# Altium PCB ATOL_CTRL_BOARD_R02A04_20191009.PcbDoc
Units mm, origin at the board's own origin, x right, y up, seen from the top; angles counter-clockwise.
Board outline 85 x 64 mm, 2 copper layers (Top Layer, Bottom Layer); 75 components, 93 nets, 353 pads, 243 vias.
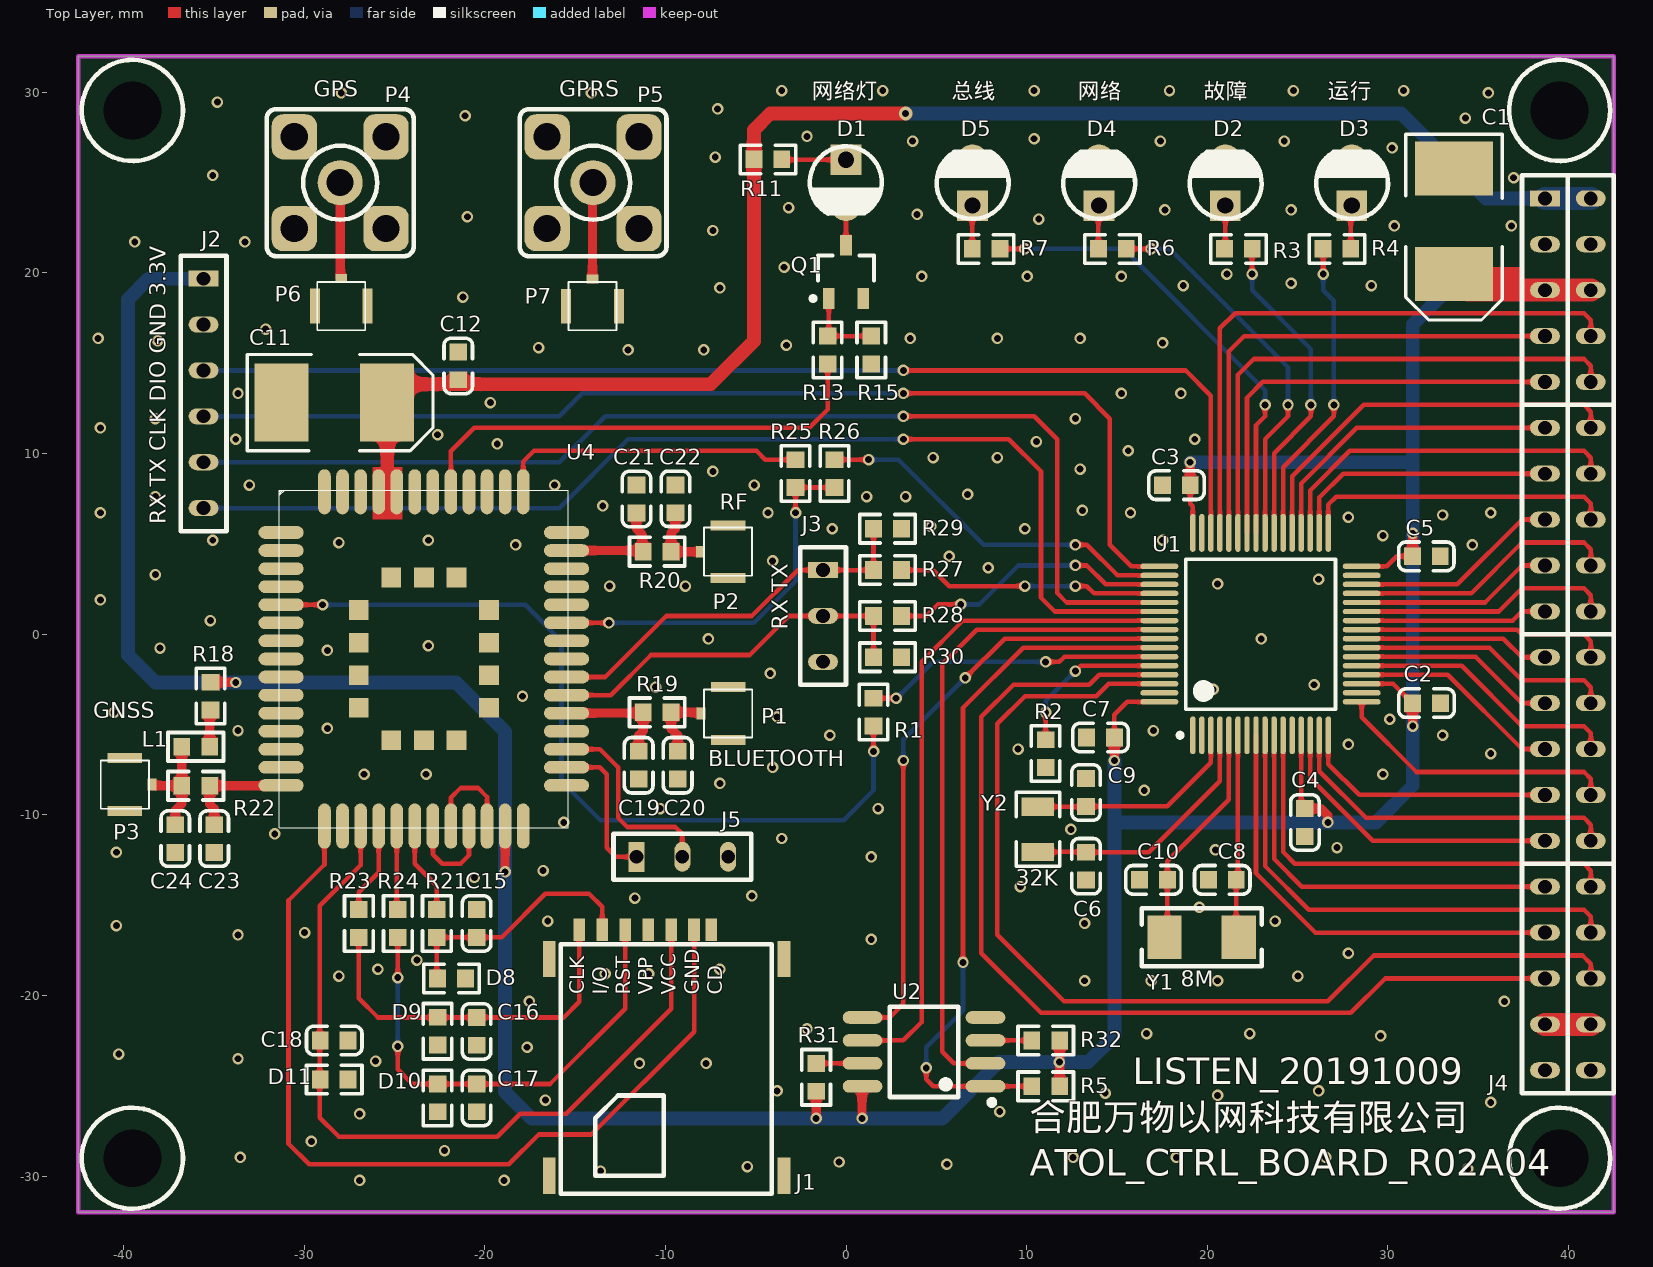
[diagram p0: Top Layer view]
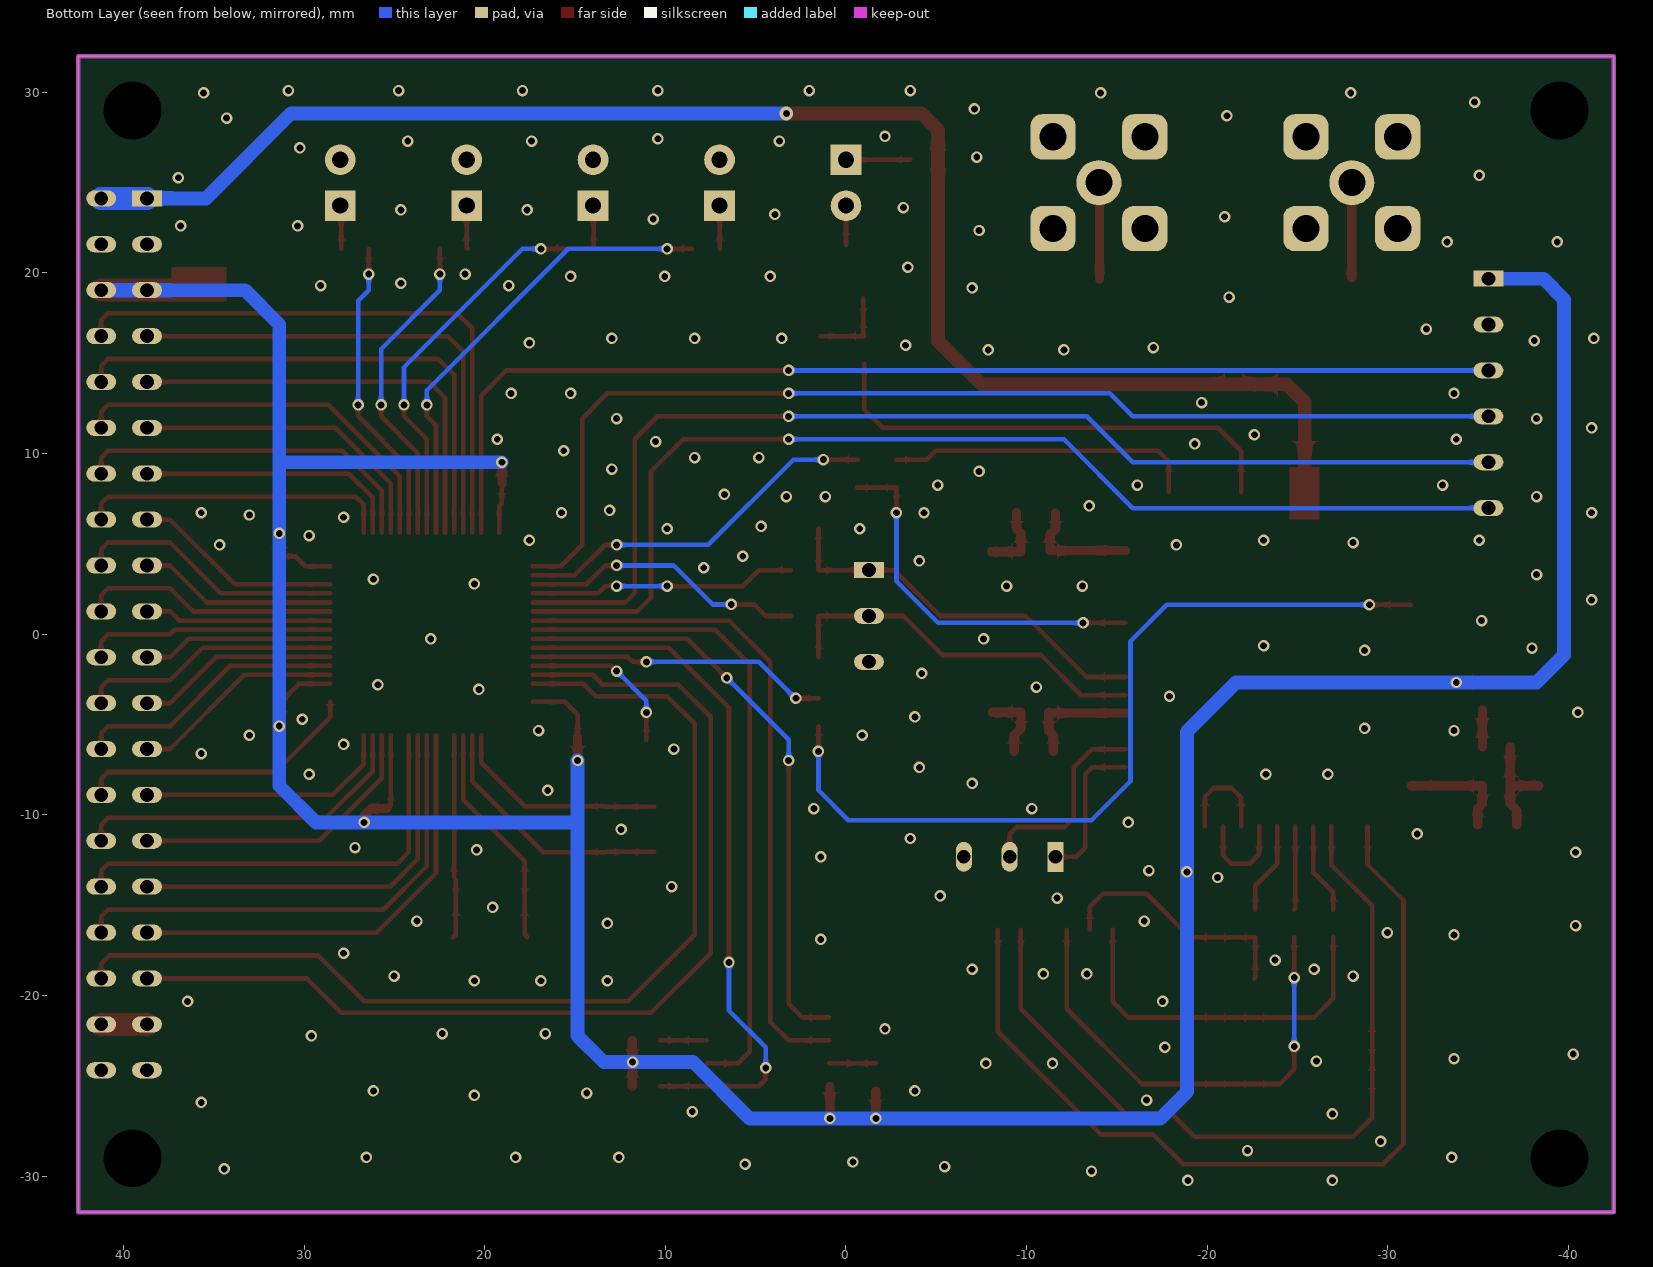
[diagram p1: Bottom Layer view, seen from below]
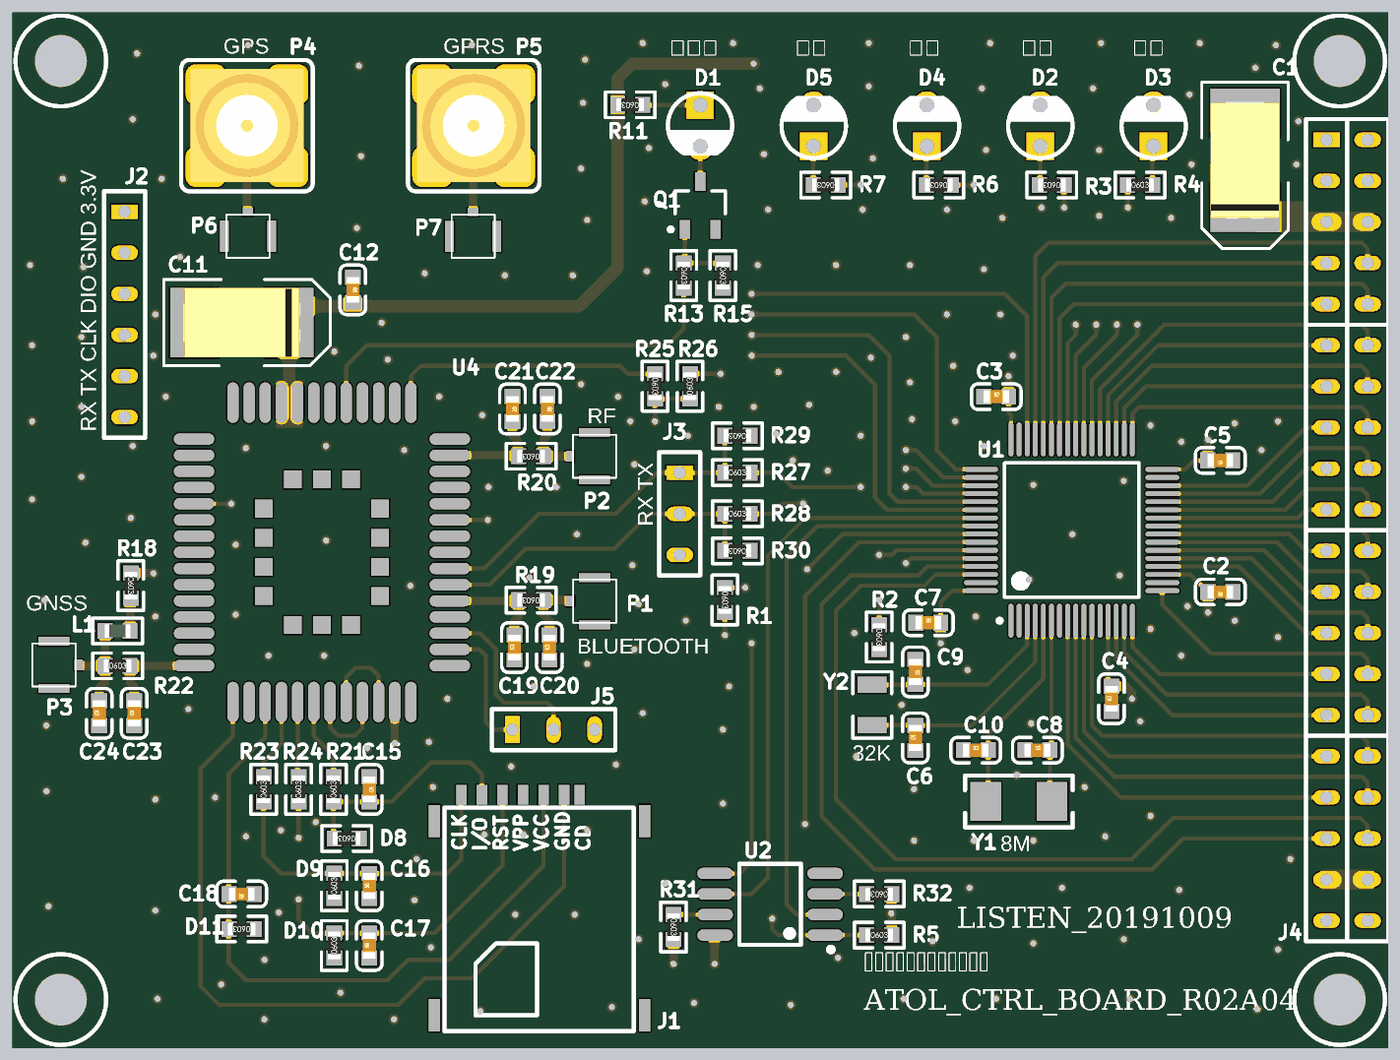
[diagram p2: 3D render of the assembled board from above, using the file's embedded part models]

## Layer stack, top to bottom
Top Solder: solder mask 0.0102, Solder Resist, Dk 3.5
Top Layer: signal copper 0.0356
Dielectric 1: dielectric 0.32, FR-4, Dk 4.8
Bottom Layer: signal copper 0.0356
Bottom Solder: solder mask 0.0102, Solder Resist, Dk 3.5

## Board outline
-42.5,-32 -42.5,32 42.5,32 42.5,-32

## Design rules (kind name [scope] priority, off if disabled: settings)
Clearance [All] p1: gap=0.152 except(0.254: Arc-Poly Track-Poly SMDPad-Poly THPad-Poly Via-Poly Fill-Poly Poly-Poly)
HoleSize [All] p1: absolutevalues=TRUE maxlimit=25.4 minlimit=0.025 maxpercent=80.000 minpercent=20.000
MinimumSolderMaskSliver [All] p1: minsoldermaskwidth=0
PlaneConnect [All] p1: planeconnectstyle=Direct reliefexpansion=0.508 reliefentries=4 reliefconductorwidth=0.254 reliefairgap=0.254
PolygonConnect [All] p1: connectstyle=Direct reliefconductorwidth=0.254 reliefentries=4 polygonreliefangle="90 Angle" airgapwidth=0.254
RoutingVias [All] p1: holewidth=0.381 width=0.762 viastyle="Through Hole" minholewidth=0.254 minwidth=0.254 maxholewidth=2.54 maxwidth=2.54
SilkToSilkClearance [All] p1: silktosilkclearance=0.025
SilkToSolderMaskClearance [IsPad] p1: minsilkscreentomaskgap=0 clearancetoexposedcopper=TRUE
SolderMaskExpansion [All] p1: expansion=0.102
Width [All] p1: maxlimit=2.54 minlimit=0.254 preferedwidth=0.254
25 further rules are at their usual default settings.

## Components (designator, comment, footprint, x,y, rotation, side; value= is the part's Value field where it differs from the comment)
C1 "470uF (7343) 16V" STEC_E(7343-43) 33.655,22.86 r270 top
C2 "100nF (104) 10% 50V" 0603_C 32.131,-3.81 r180 top
C3 "100nF (104) 10% 50V" 0603_C 18.288,8.255 r0 top
C4 "100nF (104) 10% 50V" 0603_C 25.4,-10.414 r90 top
C5 "100nF (104) 10% 50V" 0603_C 32.123,4.318 r180 top
C6 "20pF (200) 5% 50V" 0603_C 13.29,-12.835 r90 top
C7 "100nF (104) 10% 50V" 0603_C 14.089,-5.715 r0 top
C8 "20pF (200) 5% 50V" 0603_C 20.828,-13.589 r0 top
C9 "20pF (200) 5% 50V" 0603_C 13.29,-8.755 r270 top
C10 "20pF (200) 5% 50V" 0603_C 17.018,-13.589 r0 top
C11 "470uF (7343) 16V" STEC_E(7343-43) -28.321,12.827 r0 top
C12 "100nF (104) 10% 50V" 0603_C -21.463,14.859 r270 top
C15 "33pF (330) 5% 50V" 0603_C -20.447,-16.01 r270 top
C16 "33pF (330) 5% 50V" 0603_C -20.447,-21.979 r90 top
C17 "33pF (330) 5% 50V" 0603_C -20.447,-25.662 r90 top
C18 "33pF (330) 5% 50V" 0603_C -28.329,-22.479 r180 top
C19 "33pF (330) 5% 50V" 0603_C -11.475,-7.247 r90 top
C20 "33pF (330) 5% 50V" 0603_C -9.316,-7.247 r90 top
C21 "33pF (330) 5% 50V" 0603_C -11.602,7.493 r270 top
C22 "33pF (330) 5% 50V" 0603_C -9.443,7.501 r270 top
C23 "33pF (330) 5% 50V" 0603_C -34.97,-11.311 r90 top
C24 "33pF (330) 5% 50V" 0603_C -37.129,-11.311 r90 top
D1 "白灯 0603" "LED 3MM-G" 0,25 r270 top
D2 "红灯 0603" "LED 3MM-G" 21,25 r90 top
D3 "绿灯 0603" "LED 3MM-G" 28,25 r90 top
D4 "蓝灯 0603" "LED 3MM-G" 14,25 r90 top
D5 "黄灯 0603" "LED 3MM-G" 7,25 r90 top
D8 "ES0603V014BT" 0603_R -21.836,-19.05 r180 top
D9 "ES0603V014BT" 0603_R -22.606,-21.971 r90 top
D10 "ES0603V014BT" 0603_R -22.606,-25.662 r90 top
D11 "ES0603V014BT" 0603_R -28.329,-24.638 r180 top
J1 "SIM8050-6-0-14-01-X_revF" NANO_SIM -16.429,-29.972 r0 top locked
J2 "2.54(6x1)" DB2.54(6x1) -35.56,19.685 r270 top
J3 "2.54(3x1)" DB2.54(3x1) -1.27,3.556 r270 top
J4 "2.54(20x2)" DB2.54(20x2) 38.69,24.13 r270 top locked
J5 "2.54(3x1)" DB2.54(3x1) -11.602,-12.319 r0 top
L1 "47nH" 0603_L -35.994,-6.223 r180 top
P1 "IPEX" IPEX2.5 -5.189,-5.715 r180 top
P2 "IPEX" IPEX2.5 -5.196,3.239 r180 top
P3 "IPEX" IPEX2.5 -41.256,-6.985 r0 top
P4 "SMA_ANTENNA" SMA-KE -28,25 r0 top
P5 "SMA_ANTENNA" SMA-KE -14,25 r0 top
P6 "IPEX" IPEX2.5 -29.273,16.835 r90 top
P7 "IPEX" IPEX2.5 -15.367,16.828 r90 top
Q1 "AO3401A P道沟 X13A15 SOT-23" SOT-23-3L 0,20.066 r270 top
R1 "470Ω (4700) ±1%" 0603_R 1.524,-4.31 r270 top
R2 "100KΩ (1003) ±1%" 0603_R 11.049,-6.604 r270 top
R3 "2.2KΩ (2201) ±1%" 0603_R 21.717,21.336 r180 top
R4 "2.2KΩ (2201) ±1%" 0603_R 27.17,21.336 r0 top
R5 "4.7KΩ (4701) ±1%" 0603_R 11.057,-25.019 r0 top
R6 "2.2KΩ (2201) ±1%" 0603_R 14.74,21.336 r180 top
R7 "2.2KΩ (2201) ±1%" 0603_R 7.755,21.336 r180 top
R11 "3.6KΩ (3601) ±1%" 0603_R -4.326,26.289 r180 top
R13 "4.7KΩ (4701) ±1%" 0603_R -1.016,15.74 r270 top
R15 "47KΩ (4702) ±1%" 0603_R 1.397,15.74 r270 top
R18 "10Ω (10R0) ±1%" 0603_R -35.179,-3.421 r270 top
R19 "0Ω (0R0) ±1%" 0603_R -10.451,-4.318 r180 top
R20 "0Ω (0R0) ±1%" 0603_R -10.451,4.572 r180 top
R21 "22Ω (22R0) ±1%" 0603_R -22.651,-16.01 r90 top
R22 "0Ω (0R0) ±1%" 0603_R -35.994,-8.382 r0 top
R23 "22Ω (22R0) ±1%" 0603_R -26.969,-16.01 r90 top
R24 "22Ω (22R0) ±1%" 0603_R -24.81,-16.01 r90 top
R25 "10KΩ (1002) ±1%" 0603_R -2.794,8.898 r270 top
R26 "100Ω (1000) ±1%" 0603_R -0.635,8.898 r90 top
R27 "1KΩ (1001) ±1%" 0603_R 2.294,3.556 r0 top
R28 "1KΩ (1001) ±1%" 0603_R 2.294,1.016 r0 top
R29 "5.6KΩ (5601) ±1%" 0603_R 2.294,5.842 r180 top
R30 "5.6KΩ (5601) ±1%" 0603_R 2.294,-1.27 r180 top
R31 "4.7KΩ (4701) ±1%" 0603_R -1.651,-24.519 r270 top
R32 "4.7KΩ (4701) ±1%" 0603_R 11.057,-22.479 r180 top
U1 "STM32F103Rx" LQFP64 19.196,-5.588 r90 top locked
U2 "W25Q128FVSIGTR" SOIC-8_208mil 4.318,-23.114 r90 top locked
U4 "MC20" MC20 -23.369,-1.364 r0 top locked
Y1 "8MHz ±20ppm 20pF" SMD-5032_2P 19.685,-16.764 r0 top
Y2 "32.768KHz ±20ppm 12.5pF" "SMD-3215_2P FC - 135" 10.623,-10.795 r270 top

## Footprints (in the part's own frame and the unit in brackets; to place one, negate y for a bottom-side part, rotate by r counter-clockwise, add the part's x,y. Pads: shape width x height; smd on the part's side, far side on the other; paste and mask are expansions set on the pad)
0603_C [mm]
  rect 0.93x0.98 smd: 1(-0.77,0) 2(0.77,0)
  silkscreen extent -1.53,-0.79 1.54,0.79, body extent -0.8,-0.4 0.8,0.4, height 0.3
0603_L [mm]
  rect 0.93x0.98 smd: 1(-0.77,0) 2(0.77,0)
  silkscreen extent -1.53,-0.79 1.54,0.79, body extent -0.82,-0.41 0.83,0.41, height 0.46
0603_R [mm]
  rect 0.93x0.98 smd: 1(-0.77,0) 2(0.77,0)
  silkscreen extent -1.53,-0.79 1.54,0.79, body extent -0.85,-0.4 0.85,0.4, height 0.56
DB2.54(3x1) [mil] "DB2.54(3x1)"
  rect 35x65 hole 30: 1(0,0)
  oval 35x65 hole 30: 2(100,0) 3(200,0)
  silkscreen extent -50,-50 250,50
DB2.54(6x1) [mil] "DB2.54(6x1)"
  rect 35x65 hole 30: 1(0,0)
  oval 35x65 hole 30: 2(100,0) 3(200,0) 4(300,0) 5(400,0) 6(500,0)
  silkscreen extent -50,-50 550,50
DB2.54(20x2) [mil] "DB2.54(20x2)"
  rect 35x65 hole 30: 1(0,0)
  oval 35x65 hole 30: 2(0,100) 3(100,0) 4(100,100) 5(200,0) 6(200,100) 7(300,0) 8(300,100) 9(400,0) 10(400,100) 11(500,0) 12(500,100) 13(600,0) 14(600,100) 15(700,0) 16(700,100) 17(800,0) 18(800,100) 19(900,0) 20(900,100) 21(1000,0) 22(1000,100) 23(1100,0) 24(1100,100) 25(1200,0) 26(1200,100) 27(1300,0) 28(1300,100) 29(1400,0) 30(1400,100) 31(1500,0) 32(1500,100) 33(1600,0) 34(1600,100) 35(1700,0) 36(1700,100) 37(1800,0) 38(1800,100) 39(1900,0) 40(1900,100)
  silkscreen extent -50,-50 1950,150
IPEX2.5 [mm] "IPEX2.5"
  rect 1.924x0.55 smd: 1(1.333,0.127) 1(1.333,-2.794)
  rect 0.5x0.65 smd: 2(2.85,-1.333)
  silkscreen extent 0,-2.67 2.67,0
"LED 3MM-G" [mm] "绿色3mm直插LED"
  rect 1.7x1.7 hole 0.9: A(-1.27,0)
  round 1.7 hole 0.9: K(1.27,0)
  silkscreen extent -2.01,-2 1.72,1.98
LQFP64 [mm] "LQFP64"
  oval 2.1x0.3 smd: 1(0,0) 2(0,-0.5) 3(0,-1) 4(0,-1.5) 5(0,-2) 6(0,-2.5) 7(0,-3) 8(0,-3.5) 9(0,-4) 10(0,-4.5) 11(0,-5) 12(0,-5.5) 13(0,-6) 14(0,-6.5) 15(0,-7) 16(0,-7.5) 33(11.2,-7.5) 34(11.2,-7) 35(11.2,-6.5) 36(11.2,-6) 37(11.2,-5.5) 38(11.2,-5) 39(11.2,-4.5) 40(11.2,-4) 41(11.2,-3.5) 42(11.2,-3) 43(11.2,-2.5) 44(11.2,-2) 45(11.2,-1.5) 46(11.2,-1) 47(11.2,-0.5) 48(11.2,0)
  oval 0.3x2.1 smd: 17(1.85,-9.35) 18(2.35,-9.35) 19(2.85,-9.35) 20(3.35,-9.35) 21(3.85,-9.35) 22(4.35,-9.35) 23(4.85,-9.35) 24(5.35,-9.35) 25(5.85,-9.35) 26(6.35,-9.35) 27(6.85,-9.35) 28(7.35,-9.35) 29(7.85,-9.35) 30(8.35,-9.35) 31(8.85,-9.35) 32(9.35,-9.35) 49(9.35,1.85) 50(8.85,1.85) 51(8.35,1.85) 52(7.85,1.85) 53(7.35,1.85) 54(6.85,1.85) 55(6.35,1.85) 56(5.85,1.85) 57(5.35,1.85) 58(4.85,1.85) 59(4.35,1.85) 60(3.85,1.85) 61(3.35,1.85) 62(2.85,1.85) 63(2.35,1.85) 64(1.85,1.85)
  silkscreen extent -0.12,-7.9 9.75,0.82, body extent 0.6,-8.75 10.6,1.25, height 1.6
MC20 [mm] "MC20"
  oval 2.5x0.7 smd: 1(-7.9,7) 2(-7.9,6) 3(-7.9,5) 4(-7.9,4) 5(-7.9,3) 6(-7.9,2) 7(-7.9,1) 8(-7.9,0) 9(-7.9,-1) 10(-7.9,-2) 11(-7.9,-3) 12(-7.9,-4) 13(-7.9,-5) 14(-7.9,-6) 15(-7.9,-7) 28(7.9,-7) 29(7.9,-6) 30(7.9,-5) 31(7.9,-4) 32(7.9,-3) 33(7.9,-2) 34(7.9,-1) 35(7.9,0) 36(7.9,1) 37(7.9,2) 38(7.9,3) 39(7.9,4) 40(7.9,5) 41(7.9,6) 42(7.9,7)
  oval 0.7x2.5 smd: 16(-5.5,-9.25) 17(-4.5,-9.25) 18(-3.5,-9.25) 19(-2.5,-9.25) 20(-1.5,-9.25) 21(-0.5,-9.25) 22(0.5,-9.25) 23(1.5,-9.25) 24(2.5,-9.25) 25(3.5,-9.25) 26(4.5,-9.25) 27(5.5,-9.25) 43(5.5,9.25) 44(4.5,9.25) 45(3.5,9.25) 46(2.5,9.25) 47(1.5,9.25) 48(0.5,9.25) 49(-0.5,9.25) 50(-1.5,9.25) 51(-2.5,9.25) 52(-3.5,9.25) 53(-4.5,9.25) 54(-5.5,9.25)
  rect 1.1x1.1 smd: 55(-3.6,2.7) 56(-3.6,0.9) 57(-3.6,-0.9) 58(-3.6,-2.7) 59(-1.8,-4.5) 60(0,-4.5) 61(1.8,-4.5) 62(3.6,-2.7) 63(3.6,-0.9) 64(3.6,0.9) 65(3.6,2.7) 66(1.8,4.5) 67(0,4.5) 68(-1.8,4.5)
  silkscreen extent -8,-9.35 8,9.35
NANO_SIM [mm] "NANO_SIM卡座7脚弹簧"
  rect 0.65x1.23 smd: C1(6.75,13.62) C2(4.21,13.62) C5(8.02,13.62) C6(5.48,13.62) C7(2.94,13.62) CD(8.97,13.62)
  rect 0.64x1.23 smd: C3(1.67,13.62)
  rect 0.7x2 smd: ""(0,0) ""(0,12) ""(13,0) ""(13,12)
  silkscreen extent 0.64,-0.99 12.32,12.83
SMA-KE [mm]
  round 2.5 hole 1.5: 1(0,0)
  rrect50% 2.5x2.5 hole 1.5: 2(-2.54,2.54) 3(2.54,2.54) 4(-2.54,-2.54) 5(2.54,-2.54)
  silkscreen extent -4.06,-4.06 4.06,4.06, body extent -3.5,-3.5 3.5,3.5, height 9.53
"SMD-3215_2P FC - 135" [mm]
  rect 1x1.8 smd: 1(-1.25,0) 2(1.25,0)
  silkscreen extent -2.05,-1.2 2.05,1.2
SMD-5032_2P [mm]
  rect 1.9x2.4 smd: 1(-2.05,0) 2(2.05,0)
  silkscreen extent -3.32,-1.6 3.32,1.6
SOIC-8_208mil [mm]
  oval 0.7x2.2 smd: 1(-1.905,-3.4) 2(-0.635,-3.4) 3(0.635,-3.4) 4(1.905,-3.4) 5(1.905,3.4) 6(0.635,3.4) 7(-0.635,3.4) 8(-1.905,3.4)
  silkscreen extent -2.95,-3.9 2.5,1.9
SOT-23-3L [mm] "http://www.aosmd.com/res/packaging_information/SOT-23-3L.pdf"
  rect 1.15x0.65 smd: 1(1.475,-0.95) 2(1.475,0.95) 3(-1.475,0)
  silkscreen extent -0.9,-1.95 1.6,1.55, body extent -0.9,-1.55 0.9,1.55, height 1.25
STEC_E(7343-43) [mm]
  rect 3x4.3 smd: 1(2.921,0) 2(-2.921,0)
  silkscreen extent -4.83,-2.67 5.46,2.67, body extent -3.65,-2.15 3.65,2.15, height 4.11

## Part data
C1 C11: library part "3528 100uF (107) 10% 6.3V", "钽电容"
C2 C3 C4 C5 C7 C12: library part "0603 100nF (104) 10% 50V", "贴片电容"
C6 C8 C9 C10: library part "0603 20pF (200) 5% 50V", "贴片电容"
C15 C16 C17 C18 C19 C20 C21 C22 C23 C24: library part "0603 33pF (330) 5% 50V", "贴片电容"
D1: library part "0603 白灯", "发光二极管"
D2: library part "0603 红灯", "发光二极管"
D3: library part "0603 绿灯", "发光二极管"
D4: library part "0603 蓝灯", "发光二极管"
D5: library part "0603 黄灯", "发光二极管"
D8 D9 D10 D11: library part "Zener Diode"
J1: "Nano SIM Card Connector, Push-Pull Type, 6 Pin, SMT, Profile 1.35mm"
J2 J3 J4 J5: "2.54端子"
L1: library part "0603 47nH", "贴片电感"
P4 P5: "SMA天线"
Q1: "MOS(场效应管)"
R1: library part "0603 470Ω (4700) 1%", "贴片电阻"
R2: library part "0603 100KΩ (1003) 1%", "贴片电阻"
R3 R4 R6 R7: library part "0603 2.2KΩ (2201) 1%", "贴片电阻"
R5 R13 R31 R32: library part "0603 4.7KΩ (4701) 1%", "贴片电阻"
R11: library part "0603 3.6KΩ (3601) 1%", "贴片电阻"
R15: library part "0603 47KΩ (4702) 1%", "贴片电阻"
R18: library part "0603 10Ω (10R0) 1%", "贴片电阻"
R19 R20 R22: library part "0603 0Ω (0R0) 1%", "贴片电阻"
R21 R23 R24: library part "0603 22Ω (22R0) 1%", "贴片电阻"
R25: library part "0603 10KΩ (1002) 1%", "贴片电阻"
R26: library part "0603 100Ω (1000) 1%", "贴片电阻"
R27 R28: library part "0603 1KΩ (1001) 1%", "贴片电阻"
R29 R30: library part "0603 5.6KΩ (5601) 1%", "贴片电阻"
U1: "STM32оƬ"
U2: library part W25Q128FVSIGTR_[C110643], "Flash ROM"
Y1: library part "SMD-5032_2P 8MHz 20ppm 20pF", "贴片晶振"
Y2: library part "SMD-3215_2P 32.768KHz 20ppm 12.5pF", "贴片晶振"

## Free pads (board coordinates)
  round 0 hole 3.2: ""(-39.5,-29) ""(-39.5,29) ""(39.5,-29) ""(39.5,29)

## Via types
v1: diameter 0.635, hole 0.381, Top Layer to Bottom Layer, tented both sides, 242 vias
v2: diameter 0.762, hole 0.381, Top Layer to Bottom Layer, tented both sides, 1 vias

## Nets (pads, with @x,y where several pads share a name; then routed paths per layer and width w, separated by ;. In a path a pad name is that pad's centre, name@x,y a point inside that pad or via, vN(x,y) a via of type N, cw(c..) or ccw(c..) an arc to the next point about the centre after c; other vN are vias at no path point)
3.3VDC: C1.1 C2.2 C3.2 C4.2 C5.2 C7.2 J2.1 J4.5 J4.6 R5.2 R18.1 R31.2 R32.1 U1.13 U1.19 U1.32 U1.48 U1.64 U2.8 U4.26 | length 222.6
  Top Layer w0.254: v1@-33.798,-2.651 v1(-33.782,-2.667) ; U2.8@0.889,-25.048 U2.8 ; C7.2 14.859,-4.445 15.566,-3.738 U1.64 ; C3.2@18.931,8.255 C3.2@19.05,8.374 ; C3.2 19.058,7.231 19.196,7.093 U1.48 ; U1.13 25.196,-9.44 C4.2 ; U1.19 30.281,-2.738 C2.2@31.353,-3.81 ; U1.32 29.924,3.762 30.48,4.318 C5.2@31.242,4.318 ; C5.2 C5.2@31.369,4.334 ; C2.2 C2.2@31.369,-3.818
  Top Layer w0.508: R18.1 v1@-33.798,-2.651 ; v1(-18.869,-13.154) U4.26 ; v1(-1.651,-26.797) R31.2 ; v1(0.889,-26.797) U2.8@0.889,-25.048 ; R5.2 R32.1 ; v1(14.859,-6.985) C7.2 ; C3.2@19.05,8.374 v1(19.05,9.525) ; C4.2 26.281,-9.644 26.67,-10.033 v1(26.67,-10.414) ; v1(31.369,-5.08) C2.2@31.369,-3.818 ; C5.2@31.369,4.334 v1(31.369,5.588)
  Top Layer w1.27: 36.703,19.05 J4.5 J4.6
  Bottom Layer w0.762: J2.1 -38.608,19.685 -39.751,18.542 -39.751,-1.143 -38.227,-2.667 v1(-33.782,-2.667) -21.59,-2.667 -18.869,-5.388 v1(-18.869,-13.154) -18.869,-25.327 -17.399,-26.797 v1(-1.651,-26.797) v1(0.889,-26.797) 5.334,-26.797 8.455,-23.676 v1(11.811,-23.676) 13.408,-23.676 14.859,-22.225 14.859,-10.414 ; v1(14.859,-6.985) 14.859,-10.414 ; v1(19.05,9.525) 31.369,9.525 ; J4.6 J4.5 33.274,19.05 31.369,17.145 31.369,9.525 ; 14.859,-10.414 v1(26.67,-10.414) 29.337,-10.414 31.369,-8.382 v1(31.369,-5.08) v1(31.369,5.588) 31.369,9.525
4VDC: C11.1 C12.2 J4.1 J4.2 R11.2 U4.50 U4.51 | length 85.9
  Top Layer w0.762: -25.4,9.017 C11.1 -24.384,13.843 -7.493,13.843 -5.096,16.24 R11.2 -5.096,27.924 -4.191,28.829 v2(3.302,28.829)
  Bottom Layer w0.762: v2(3.302,28.829) 30.734,28.829 35.433,24.13 J4.1
  Bottom Layer w1.27: J4.1 J4.2
5VDC: J4.37 J4.38 | length 2.5
  Top Layer w1.27: J4.37 J4.38
ADC10: J4.33 U1.8 | length 25
  Top Layer w0.254: U1.8 22.696,-13.216 25.99,-16.51 J4.33
ADC11: J4.34 U1.9 | length 27.3
  Top Layer w0.254: U1.9 23.196,-12.827 25.609,-15.24 40.849,-15.24 41.23,-15.621 J4.34
ADC12: J4.31 U1.10 | length 22.5
  Top Layer w0.254: U1.10 23.696,-12.438 25.228,-13.97 J4.31
ADC13: J4.32 U1.11 | length 24.8
  Top Layer w0.254: U1.11 24.196,-12.049 24.847,-12.7 40.849,-12.7 41.23,-13.081 J4.32
ALARM_LED: R3.1 U1.39 | length 17.9
  Top Layer w0.254: v1(22.479,19.939) R3.1@22.479,21.328 ; U1.39 23.696,10.025 25.736,12.065 v1(25.736,12.7)
  Bottom Layer w0.254: v1(22.479,19.939) 22.479,19.05 25.736,15.793 v1(25.736,12.7)
ANT_BT: C19.2 R19.2 U4.32 | length 6.5
  Top Layer w0.254: R19.2@-11.267,-4.364 R19.2
  Top Layer w0.508: U4.32 R19.2@-11.267,-4.364 ; C19.2 -11.475,-5.588 -11.221,-5.334 R19.2
ANT_GNSS: C23.2 R22.2 U4.15 | length 6.2
  Top Layer w0.254: U4.15@-31.287,-8.382 U4.15
  Top Layer w0.508: C23.2 -34.97,-9.652 -35.224,-9.398 R22.2 U4.15@-31.287,-8.382
ANT_RF: C21.2 R20.2 U4.41 | length 6.4
  Top Layer w0.508: U4.41 -11.285,4.636 -11.285,5.525 -11.602,5.842 C21.2
BOOT0: R2.1 U1.60 | length 9.3
  Top Layer w0.254: R2.1 v1(11.049,-4.318) ; v1(12.7,-2.032) 12.994,-1.738 U1.60
  Bottom Layer w0.254: v1(11.049,-4.318) 11.049,-3.683 v1(12.7,-2.032)
BUS_LED: R7.1 U1.41 | length 26
  Top Layer w0.254: R7.1 v1(9.906,21.336) ; U1.41 22.696,11.565 23.196,12.065 v1(23.196,12.7)
  Bottom Layer w0.254: v1(9.906,21.336) 15.367,21.336 23.196,13.507 v1(23.196,12.7)
CAN_RX: J4.7 U1.44 | length 27.9
  Top Layer w0.254: U1.44 21.196,15.653 22.053,16.51 J4.7
CAN_TX: J4.8 U1.45 | length 33.3
  Top Layer w0.254: U1.45 20.696,16.931 21.545,17.78 40.849,17.78 41.23,17.399 J4.8
COMM_POWER: R1.2 U4.5 | length 46.5
  Top Layer w0.254: U4.5 v1(-28.971,1.636) ; v1(1.524,-6.477) R1.2
  Bottom Layer w0.254: v1(-28.971,1.636) -17.765,1.636 -15.748,-0.381 -15.748,-8.128 -13.589,-10.287 -0.127,-10.287 1.524,-8.636 v1(1.524,-6.477)
COMM_RX: R27.2 U1.52 | length 14.8
  Top Layer w0.254: R27.2 4.826,3.556 5.715,2.667 v1(9.906,2.667) ; v1(12.7,2.667) 13.335,2.667 13.74,2.262 U1.52
  Bottom Layer w0.254: v1(9.906,2.667) v1(12.7,2.667)
COMM_TX: R28.2 U1.51 | length 15.9
  Top Layer w0.254: R28.2 4.445,1.016 5.08,1.651 v1(6.35,1.651) ; v1(12.7,3.81) 13.335,3.81 14.383,2.762 U1.51
  Bottom Layer w0.254: v1(6.35,1.651) 7.366,1.651 9.525,3.81 v1(12.7,3.81)
COMM_WAKEUP: R26.2 U1.50 | length 20.6
  Top Layer w0.254: R26.2 v1(1.254,9.668) ; v1(12.7,4.953) 13.335,4.953 15.026,3.262 U1.50
  Bottom Layer w0.254: v1(1.254,9.668) 2.905,9.668 7.62,4.953 v1(12.7,4.953)
DGB_RXD: J5.2 U4.30 | length 11.3
  Top Layer w0.254: U4.30 -13.62,-6.364 -12.618,-7.366 -12.618,-10.16 -12.11,-10.668 -9.443,-10.668 -9.062,-11.049 J5.2
DGB_TXD: J5.1 U4.29 | length 8.3
  Top Layer w0.254: U4.29 -13.636,-7.364 -13.253,-7.747 -13.253,-11.811 -12.745,-12.319 J5.1
GND: C1.2 C2.1 C3.1 C4.1 C5.1 C6.1 C7.1 C8.1 C9.1 C10.1 C11.2 C12.1 C15.1 C16.1 C17.1 C18.1 C19.1 C20.1 C21.1 C22.1 C23.1 C24.1 D2.K D3.K D4.K D5.K D8.1 D9.1 D10.1 D11.1 J2.2 J3.3 J4.3 J4.4 J4.39 J4.40 J5.3 P1.1 P2.1 P3.1 P4.2 P4.3 P4.4 P4.5 P5.2 P5.3 P5.4 P5.5 P6.1 P7.1 Q1.2 R2.2 R15.2 R29.1 R30.1 U1.12 U1.18 U1.31 U1.47 U1.63 U2.4 U4.14 U4.27 U4.31 U4.40 U4.42 U4.44 U4.45 U4.48 U4.49
  other v1: -26.924,-30.226 -18.923,-30.226 -13.589,-29.718 34.417,-29.591 -5.461,-29.464 5.588,-29.337 -0.381,-29.21 -33.528,-28.956 12.573,-28.956 18.288,-28.956 26.543,-28.956 -22.225,-28.575 -29.591,-28.067 -26.924,-26.543 8.509,-26.416 35.687,-25.908 -16.637,-25.781 20.574,-25.527 14.351,-25.4 -3.81,-25.273 26.162,-25.273 -11.43,-23.749 -7.747,-23.749 -26.035,-23.622 -33.655,-23.495 -40.259,-23.241 -17.653,-22.86 29.591,-22.225 16.637,-22.098 22.352,-22.098 -2.159,-21.844 -17.526,-20.32 36.449,-20.32 13.208,-19.177 16.891,-19.177 20.574,-19.177 -28.067,-18.923 25.019,-18.923 -13.335,-18.796 -10.922,-18.796 -25.908,-18.542 -6.985,-18.542 -23.749,-18.034 27.813,-17.653 1.397,-16.891 -33.655,-16.637 -29.972,-16.51 -40.386,-16.129 13.208,-16.002 -16.51,-15.875 23.749,-15.875 19.558,-15.113 -11.684,-14.605 -5.207,-14.478 9.652,-13.97 -20.574,-13.462 -16.764,-13.081 1.397,-12.319 -40.386,-12.065 20.447,-11.938 27.178,-11.811 -3.556,-11.303 -31.623,-11.049 12.446,-10.795 -15.621,-10.414 -10.287,-9.652 1.778,-9.652 16.51,-8.636 -6.985,-8.255 -26.67,-7.747 -23.241,-7.747 29.718,-7.747 -4.064,-7.366 35.687,-6.604 9.525,-6.35 27.813,-6.096 -0.889,-5.588 33.02,-5.588 -33.655,-5.334 17.018,-5.334 -28.702,-5.207 30.099,-4.699 -3.81,-4.572 -40.513,-4.318 -17.907,-3.429 20.32,-3.048 -10.541,-2.921 25.908,-2.794 -4.191,-2.159 -28.702,-0.889 -37.973,-0.762 -23.114,-0.635 -7.62,-0.254 22.987,-0.254 -35.179,0.762 -41.275,1.905 -13.081,2.667 -8.89,2.667 20.574,2.794 26.162,3.048 -38.227,3.302 7.874,3.683 -4.064,4.064 5.715,4.318 -18.288,4.953 34.671,4.953 -28.067,5.08 -35.052,5.207 -23.114,5.207 17.526,5.207 29.718,5.461 -0.762,5.842 9.906,5.842 4.699,5.969 27.813,6.477 33.02,6.604 -41.275,6.731 -4.318,6.731 15.748,6.731 35.687,6.731 13.081,6.858 -13.462,7.112 -38.227,7.62 1.143,7.62 3.302,7.62 6.731,7.747 -33.02,8.255 -16.129,8.255 -5.08,8.255 -7.366,9.017 12.954,9.144 4.826,9.779 8.382,9.779 15.621,10.16 -19.304,10.541 10.541,10.668 -33.782,10.795 19.304,10.795 -22.606,11.049 -41.275,11.43 -38.227,11.938 12.7,11.938 -19.685,12.827 -33.655,13.335 15.24,13.335 18.542,13.335 -12.065,15.748 -7.874,15.748 -17.018,15.875 -3.302,16.002 17.526,16.129 -38.1,16.256 -41.402,16.383 3.556,16.383 8.382,16.383 12.954,16.383 -32.131,16.891 -21.209,18.669 -6.985,19.177 18.669,19.304 29.083,19.304 24.638,19.431 4.191,19.812 10.033,19.812 15.24,19.812 21.082,19.939 -3.429,20.32 -39.37,21.717 -33.274,21.717 -7.366,22.352 30.353,22.606 36.83,22.606 10.668,22.987 -20.955,23.114 3.937,23.241 17.653,23.495 24.638,23.495 -3.175,23.622 36.957,25.273 -35.052,25.4 -7.239,26.416 30.226,26.924 3.683,27.305 17.399,27.305 24.257,27.305 10.414,27.432 -2.159,27.559 34.29,28.575 -21.082,28.702 -7.112,29.083 -34.798,29.464 -27.94,29.972 -14.097,29.972 35.56,29.972 -3.556,30.099 2.032,30.099 10.414,30.099 17.907,30.099 24.765,30.099 30.861,30.099
GNSS_RXD: U4.23 U4.25 | length 5.6
  Top Layer w0.254: U4.23 -21.869,-9.042 -21.336,-8.509 -20.365,-8.509 -19.869,-9.005 U4.25
GNSS_TXD: U4.22 U4.24 | length 5.6
  Top Layer w0.254: U4.22 -22.869,-12.183 -22.352,-12.7 -21.336,-12.7 -20.869,-12.233 U4.24
MC20_EINT: R25.2 R26.1 U4.37 | length 21
  Top Layer w0.254: U4.37 v1(-13.127,0.636) ; v1(-2.794,6.731) R25.2 R26.1
  Bottom Layer w0.254: v1(-13.127,0.636) -5.093,0.636 -2.794,2.935 v1(-2.794,6.731)
MC20_RXD: J3.2 R28.1 R30.2 U4.33 | length 21.1
  Top Layer w0.254: U4.33 -13.016,-3.364 -10.795,-1.143 -5.334,-1.143 -3.175,1.016 J3.2 R28.1 R30.2
MC20_TXD: J3.1 R27.1 R29.2 U4.34 | length 21.7
  Top Layer w0.254: U4.34 -13.331,-2.364 -9.951,1.016 -5.207,1.016 -2.667,3.556 J3.1 R27.1 R29.2
NET_LED: R6.1 U1.40 | length 21.4
  Top Layer w0.254: R6.1 v1(16.891,21.336) ; U1.40 23.196,10.795 24.466,12.065 v1(24.466,12.7)
  Bottom Layer w0.254: v1(16.891,21.336) 17.907,21.336 24.466,14.777 v1(24.466,12.7)
NetC15_2: C15.2 D8.2 J1.C7 R21.1 | length 14
  Top Layer w0.254: D8.2 -22.651,-19.005 R21.1 C15.2 -19.066,-16.78 -16.637,-14.351 -14.224,-14.351 -13.489,-15.086 J1.C7
NetC16_2: C16.2 D9.2 J1.C3 R23.1 | length 20.4
  Top Layer w0.254: R23.1 -26.969,-20.148 -25.908,-21.209 -22.733,-21.209 -15.621,-21.209 -14.759,-20.347 J1.C3
NetC17_2: C17.2 D10.2 J1.C2 R24.1 | length 26.3
  Top Layer w0.254: v1(-24.81,-22.815) -24.81,-24.085 -24.003,-24.892 D10.2 C17.2 -16.383,-24.892 -12.219,-20.728 J1.C2 ; v1(-24.81,-19.005) R24.1
  Bottom Layer w0.254: v1(-24.81,-22.815) v1(-24.81,-19.005)
NetC20_2: C20.2 P1.2 R19.1 | length 4
  Top Layer w0.254: P1.2@-8.103,-4.318 P1.2
  Top Layer w0.508: C20.2 -9.316,-5.588 -9.681,-5.223 R19.1 P1.2@-8.103,-4.318
NetC22_2: C22.2 P2.2 R20.1 | length 3.9
  Top Layer w0.508: C22.2 -9.443,5.842 -9.681,5.604 R20.1 P2.2
NetC24_2: C24.2 L1.2 P3.2 R22.1 | length 6.1
  Top Layer w0.254: P3.2 P3.2@-38.342,-8.382
  Top Layer w0.508: P3.2@-38.342,-8.382 R22.1 ; C24.2 -37.129,-9.747 -36.764,-9.382 R22.1 ; L1.2 R22.1
NetD1_A: D1.A R11.1 | length 3.6
  Top Layer w0.254: R11.1 -3.537,26.27 D1.A
NetD1_K: D1.K Q1.3 | length 2.2
  Top Layer w0.254: D1.K@-0.03,23.7 D1.K Q1.3
NetD2_A: D2.A R3.2 | length 2.4
  Top Layer w0.254: R3.2 21,21.389 D2.A
NetD3_A: D3.A R4.2 | length 2.4
  Top Layer w0.254: R4.2 27.94,23.67 D3.A
NetD4_A: D4.A R6.2 | length 2.4
  Top Layer w0.254: R6.2 13.97,23.7 D4.A
NetD5_A: D5.A R7.2 | length 2.4
  Top Layer w0.254: R7.2 6.985,23.715 D5.A
NetL1_1: L1.1 R18.2 | length 2
  Top Layer w0.508: L1.1 R18.2@-35.224,-4.191
NETLIGHT: R13.2 U4.47 | length 26.6
  Top Layer w0.254: U4.47 -21.869,10.135 -20.574,11.43 -2.032,11.43 -1.016,12.446 R13.2
NetP4_1: P4.1 P6.2 | length 5.3
  Top Layer w0.254: P6.2@-28,19.745 P6.2
  Top Layer w0.508: P6.2@-28,19.745 P4.1
NetP5_1: P5.1 P7.2 | length 5.3
  Top Layer w0.254: P5.1@-14.034,24.966 P5.1
  Top Layer w0.508: P7.2 P5.1@-14.034,24.966
NetQ1_1: Q1.1 R13.1 R15.1 | length 4.5
  Top Layer w0.254: Q1.1 -0.95,16.576 R13.1 R15.1
NetR31_1: R31.1 U2.7 | length 2.6
  Top Layer w0.254: R31.1 U2.7
NetR32_2: R32.2 U2.3 | length 2.6
  Top Layer w0.254: U2.3 R32.2
OSC32_IN: C9.2 U1.3 Y2.1 | length 12.1
  Top Layer w0.254: Y2.1 13.27,-9.545 C9.2 17.78,-9.525 20.196,-7.109 U1.3
OSC32_OUT: C6.2 U1.4 Y2.2 | length 14.3
  Top Layer w0.254: Y2.2 13.27,-12.045 C6.2 16.764,-12.065 20.696,-8.133 U1.4
OSC_IN: C10.2 U1.5 Y1.1 | length 12.7
  Top Layer w0.254: Y1.1 17.788,-16.611 C10.2 17.788,-12.565 21.196,-9.157 U1.5
OSC_OUT: C8.2 U1.6 Y1.2 | length 11.1
  Top Layer w0.254: C8.2 21.598,-16.627 Y1.2 ; C8.2@21.696,-13.462 U1.6
PA0: J4.29 U1.14 | length 16.8
  Top Layer w0.254: U1.14 25.696,-7.961 29.165,-11.43 J4.29
PA1: J4.30 U1.15 | length 19.1
  Top Layer w0.254: U1.15 26.196,-7.572 28.784,-10.16 40.849,-10.16 41.23,-10.541 J4.30
PA4: J4.25 U1.20 | length 11.8
  Top Layer w0.254: U1.20 33.308,-2.238 37.42,-6.35 J4.25
PA5: J4.26 U1.21 | length 15.1
  Top Layer w0.254: U1.21 34.078,-1.738 37.42,-5.08 40.849,-5.08 41.23,-5.461 J4.26
PA6: J4.23 U1.22 | length 11.2
  Top Layer w0.254: U1.22 34.848,-1.238 37.42,-3.81 J4.23
PA7: J4.24 U1.23 | length 14.5
  Top Layer w0.254: U1.23 35.618,-0.738 37.42,-2.54 40.849,-2.54 41.23,-2.921 J4.24
PB0: J4.19 U1.26 | length 10.4
  Top Layer w0.254: U1.26 36.912,0.762 37.42,1.27 J4.19
PB1: J4.20 U1.27 | length 14.3
  Top Layer w0.254: U1.27 36.142,1.262 37.42,2.54 40.849,2.54 41.23,2.159 J4.20
PB2: J4.17 U1.28 | length 11
  Top Layer w0.254: U1.28 35.372,1.762 37.42,3.81 J4.17
PB3: U1.55 U2.6 | length 37.7
  Top Layer w0.254: U2.6 3.175,-22.479 4.191,-21.463 4.191,-1.524 6.477,0.762 U1.55
PB4: U1.56 U2.2 | length 36.9
  Top Layer w0.254: U2.2 5.969,-23.749 5.334,-23.114 5.334,-1.651 7.247,0.262 U1.56
PB5: U1.57 U2.5 | length 33.7
  Top Layer w0.254: U2.5 2.413,-21.209 3.175,-20.447 v1(3.175,-6.985) ; v1(6.604,-2.413) 8.779,-0.238 U1.57
  Bottom Layer w0.254: v1(3.175,-6.985) 3.175,-5.842 v1(6.604,-2.413)
PB6: R5.1 U1.58 U2.1 | length 39.7
  Top Layer w0.254: v1(4.445,-24.003) 4.445,-24.638 4.826,-25.019 U2.1 R5.1 ; v1(6.477,-18.161) 6.477,-4.064 9.803,-0.738 U1.58
  Bottom Layer w0.254: v1(4.445,-24.003) 4.445,-22.86 6.477,-20.828 v1(6.477,-18.161)
PB7: R1.1 U1.59 | length 16.8
  Top Layer w0.254: R1.1 v1(2.778,-3.54) ; v1(11.049,-1.524) 11.811,-1.524 12.097,-1.238 U1.59
  Bottom Layer w0.254: v1(2.778,-3.54) 2.81,-3.54 4.826,-1.524 v1(11.049,-1.524)
PB8: J4.35 U1.61 | length 57.3
  Top Layer w0.254: U1.61 14.018,-2.238 13.462,-2.794 9.271,-2.794 7.493,-4.572 7.493,-17.653 10.795,-20.955 27.94,-20.955 29.845,-19.05 J4.35
PB9: J4.36 U1.62 | length 58
  Top Layer w0.254: U1.62 14.534,-2.738 13.843,-3.429 9.906,-3.429 8.382,-4.953 8.382,-16.637 12.065,-20.32 26.67,-20.32 29.21,-17.78 40.767,-17.78 41.23,-18.243 J4.36
PB10: J4.18 U1.29 | length 14.9
  Top Layer w0.254: U1.29 34.602,2.262 37.42,5.08 40.849,5.08 41.23,4.699 J4.18
PB11: J4.15 U1.30 | length 11.6
  Top Layer w0.254: U1.30 33.832,2.762 37.42,6.35 J4.15
PB12: J4.16 U1.33 | length 17.3
  Top Layer w0.254: U1.33 26.696,7.183 27.133,7.62 40.849,7.62 41.23,7.239 J4.16
PB13: J4.13 U1.34 | length 15
  Top Layer w0.254: U1.34 26.196,7.572 27.514,8.89 J4.13
PB14: J4.14 U1.35 | length 19.8
  Top Layer w0.254: U1.35 25.696,7.961 27.895,10.16 40.849,10.16 41.23,9.779 J4.14
PB15: J4.11 U1.36 | length 17.5
  Top Layer w0.254: U1.36 25.196,8.35 28.276,11.43 J4.11
PC4: J4.21 U1.24 | length 10.6
  Top Layer w0.254: U1.24 36.388,-0.238 37.42,-1.27 J4.21
PC5: J4.22 U1.25 | length 13.8
  Top Layer w0.254: U1.25 37.158,0.262 37.42,0 40.849,0 41.23,-0.381 J4.22
PC6: J4.12 U1.37 | length 22.3
  Top Layer w0.254: U1.37 24.696,8.739 28.657,12.7 40.849,12.7 41.23,12.319 J4.12
PC7: R4.1 U1.38 | length 17.1
  Top Layer w0.254: U1.38 24.196,9.255 27.006,12.065 v1(27.006,12.7) ; R4.1 26.416,21.32 v1(26.416,19.939)
  Bottom Layer w0.254: v1(26.416,19.939) 26.416,19.05 27.006,18.46 v1(27.006,12.7)
PC12: J2.5 U1.53 | length 63.2
  Top Layer w0.254: v1(3.175,12.065) 10.414,12.065 11.684,10.795 11.684,2.286 12.208,1.762 U1.53
  Bottom Layer w0.254: J2.5 -15.875,9.525 -13.335,12.065 v1(3.175,12.065)
PC13: U1.2
PD2: J2.6 U1.54 | length 62.5
  Top Layer w0.254: v1(3.175,10.795) 9.017,10.795 10.795,9.017 10.795,2.032 11.565,1.262 U1.54
  Bottom Layer w0.254: J2.6 -15.875,6.985 -12.065,10.795 v1(3.175,10.795)
SIM_CLK: R23.2 U4.19 | length 5.1
  Top Layer w0.254: R23.2 -26.969,-14.269 -25.869,-13.169 U4.19
SIM_DATA: R21.2 U4.21 | length 5.1
  Top Layer w0.254: U4.21 -23.869,-12.693 -22.651,-13.911 R21.2
SIM_GND: J1.C5 U4.16 | length 50
  Top Layer w0.254: U4.16 -28.869,-12.74 -30.861,-14.732 -30.861,-28.194 -29.718,-29.337 -18.669,-29.337 -17.018,-27.686 -14.097,-27.686 -8.409,-21.998 J1.C5
SIM_RST: R24.2 U4.20 | length 4.7
  Top Layer w0.254: U4.20 -24.869,-15.181 R24.2
SIM_VDD: C18.2 D11.2 J1.C1 U4.18 | length 44.3
  Top Layer w0.254: U4.18 -26.869,-12.772 -29.128,-15.031 -29.128,-26.752 -28.067,-27.813 -19.304,-27.813 -18.034,-26.543 -15.494,-26.543 -9.679,-20.728 J1.C1
SWCLK: J2.4 U1.49 | length 61.5
  Top Layer w0.254: v1(3.175,13.335) 13.208,13.335 14.605,11.938 14.605,4.953 15.796,3.762 U1.49
  Bottom Layer w0.254: J2.4 -15.875,12.065 -14.605,13.335 v1(3.175,13.335)
SWDIO: J2.3 U1.46 | length 63.9
  Top Layer w0.254: v1(3.175,14.605) 18.796,14.605 20.196,13.205 U1.46
  Bottom Layer w0.254: J2.3 v1(3.175,14.605)
USART1_RX: J4.10 U1.43 | length 29.7
  Top Layer w0.254: U1.43 21.696,14.375 22.561,15.24 40.849,15.24 41.23,14.859 J4.10
USART1_TX: J4.9 U1.42 | length 24.3
  Top Layer w0.254: U1.42 22.196,13.097 23.069,13.97 J4.9
USART2_RX: J4.28 U1.17 | length 15.8
  Top Layer w0.254: U1.17 28.546,-4.588 31.578,-7.62 40.849,-7.62 41.23,-8.001 J4.28
USART2_TX: J4.27 U1.16 | length 14.3
  Top Layer w0.254: U1.16 26.696,-7.183 28.403,-8.89 J4.27
VBAT: U1.1
VDD_EXT: R25.1 U4.43 | length 17.2
  Top Layer w0.254: U4.43 -17.869,9.563 -17.272,10.16 -4.953,10.16 -4.461,9.668 R25.1
pads on no net: J1. J1.C6 J1.CD U1.7 U4.1 U4.2 U4.3 U4.4 U4.6 U4.7 U4.8 U4.9 U4.10 U4.11 U4.12 U4.13 U4.17 U4.28 U4.35 U4.36 U4.38 U4.39 U4.46 U4.52 U4.53 U4.54 U4.55 U4.56 U4.57 U4.58 U4.59 U4.60 U4.61 U4.62 U4.63 U4.64 U4.65 U4.66 U4.67 U4.68

## Keep-outs
Keep-Out Layer:
  the board outline again, w0.254

## Other copper
Top Layer:
  rectangle net 3.3VDC: 34.29,18.415 37.338,20.32
  rectangle net 4VDC: -26.207,6.35 -24.556,9.271

## Silkscreen, mask and mechanical layers (free items; w line width, h text height)
Top Overlay:
  circle w0.254: c-39.5,29 r2.8
  circle w0.254: c39.5,29 r2.8
  circle w0.254: c39.5,-29 r2.8
  circle w0.254: c-39.5,-29 r2.8
  text "GPS" at -29.464,29.464 h1.52
  text "GPRS" at -15.875,29.464 h1.52
  text "网络灯" at -1.905,29.337 h1.52
  text "总线" at 5.842,29.337 h1.52
  text "网络" at 12.827,29.337 h1.52
  text "故障" at 19.812,29.337 h1.52
  text "运行" at 26.67,29.337 h1.52
  text "RF" at -6.985,6.604 h1.52
  text "RX TX CLK DIO GND 3.3V" at -37.338,6.096 h1.52 r90
  text "RX TX" at -2.921,0.254 h1.52 r90
  text "GNSS" at -41.656,-4.953 h1.52
  text "BLUETOOTH" at -7.62,-7.62 h1.52
  text "32K" at 9.398,-14.224 h1.52
  text "8M" at 18.542,-19.812 h1.52
  text "LISTEN_20191009" at 15.875,-25.4 h2.54
  text "合肥万物以网科技有限公司" at 10.16,-27.94 h2.54
  text "ATOL_CTRL_BOARD_R02A04" at 10.16,-30.48 h2.54
Mechanical 15:
  lines w0.254: -28,30 -28,25 28,25 28,30 ; -21,25 -21,30 ; -14,25 -14,30 ; -7,25 -7,30 ; 0,25 0,30 ; 7,25 7,30 ; 14,25 14,30 ; 21,25 21,30

## Dimensions
39.5,29 to 39.5,-29 on Mechanical 15
39.5,29 to -39.5,29 on Mechanical 15
42.5,32 to 42.5,-32 on Mechanical 15
-28,30 to 28,30 on Mechanical 15
-21,30 to 21,30 on Mechanical 15
-14,30 to 14,30 on Mechanical 15
-7,30 to 7,30 on Mechanical 15

## Text inside footprints (layer, text, board x,y; h text height)
J1: Top Overlay "VCC" at -9.419,-19.939 h0.8 r90; Top Overlay "RST" at -11.933,-19.939 h0.8 r90; Top Overlay "CLK" at -14.499,-19.914 h0.8 r90; Top Overlay "GND" at -8.123,-19.939 h0.8 r90; Top Overlay "VPP" at -10.689,-19.939 h0.8 r90; Top Overlay "I/O" at -13.229,-19.939 h0.8 r90; Top Overlay "CD" at -6.853,-19.939 h0.8 r90